# Altium PCB BoardB.PcbDoc (part 1 of 2) (continued)
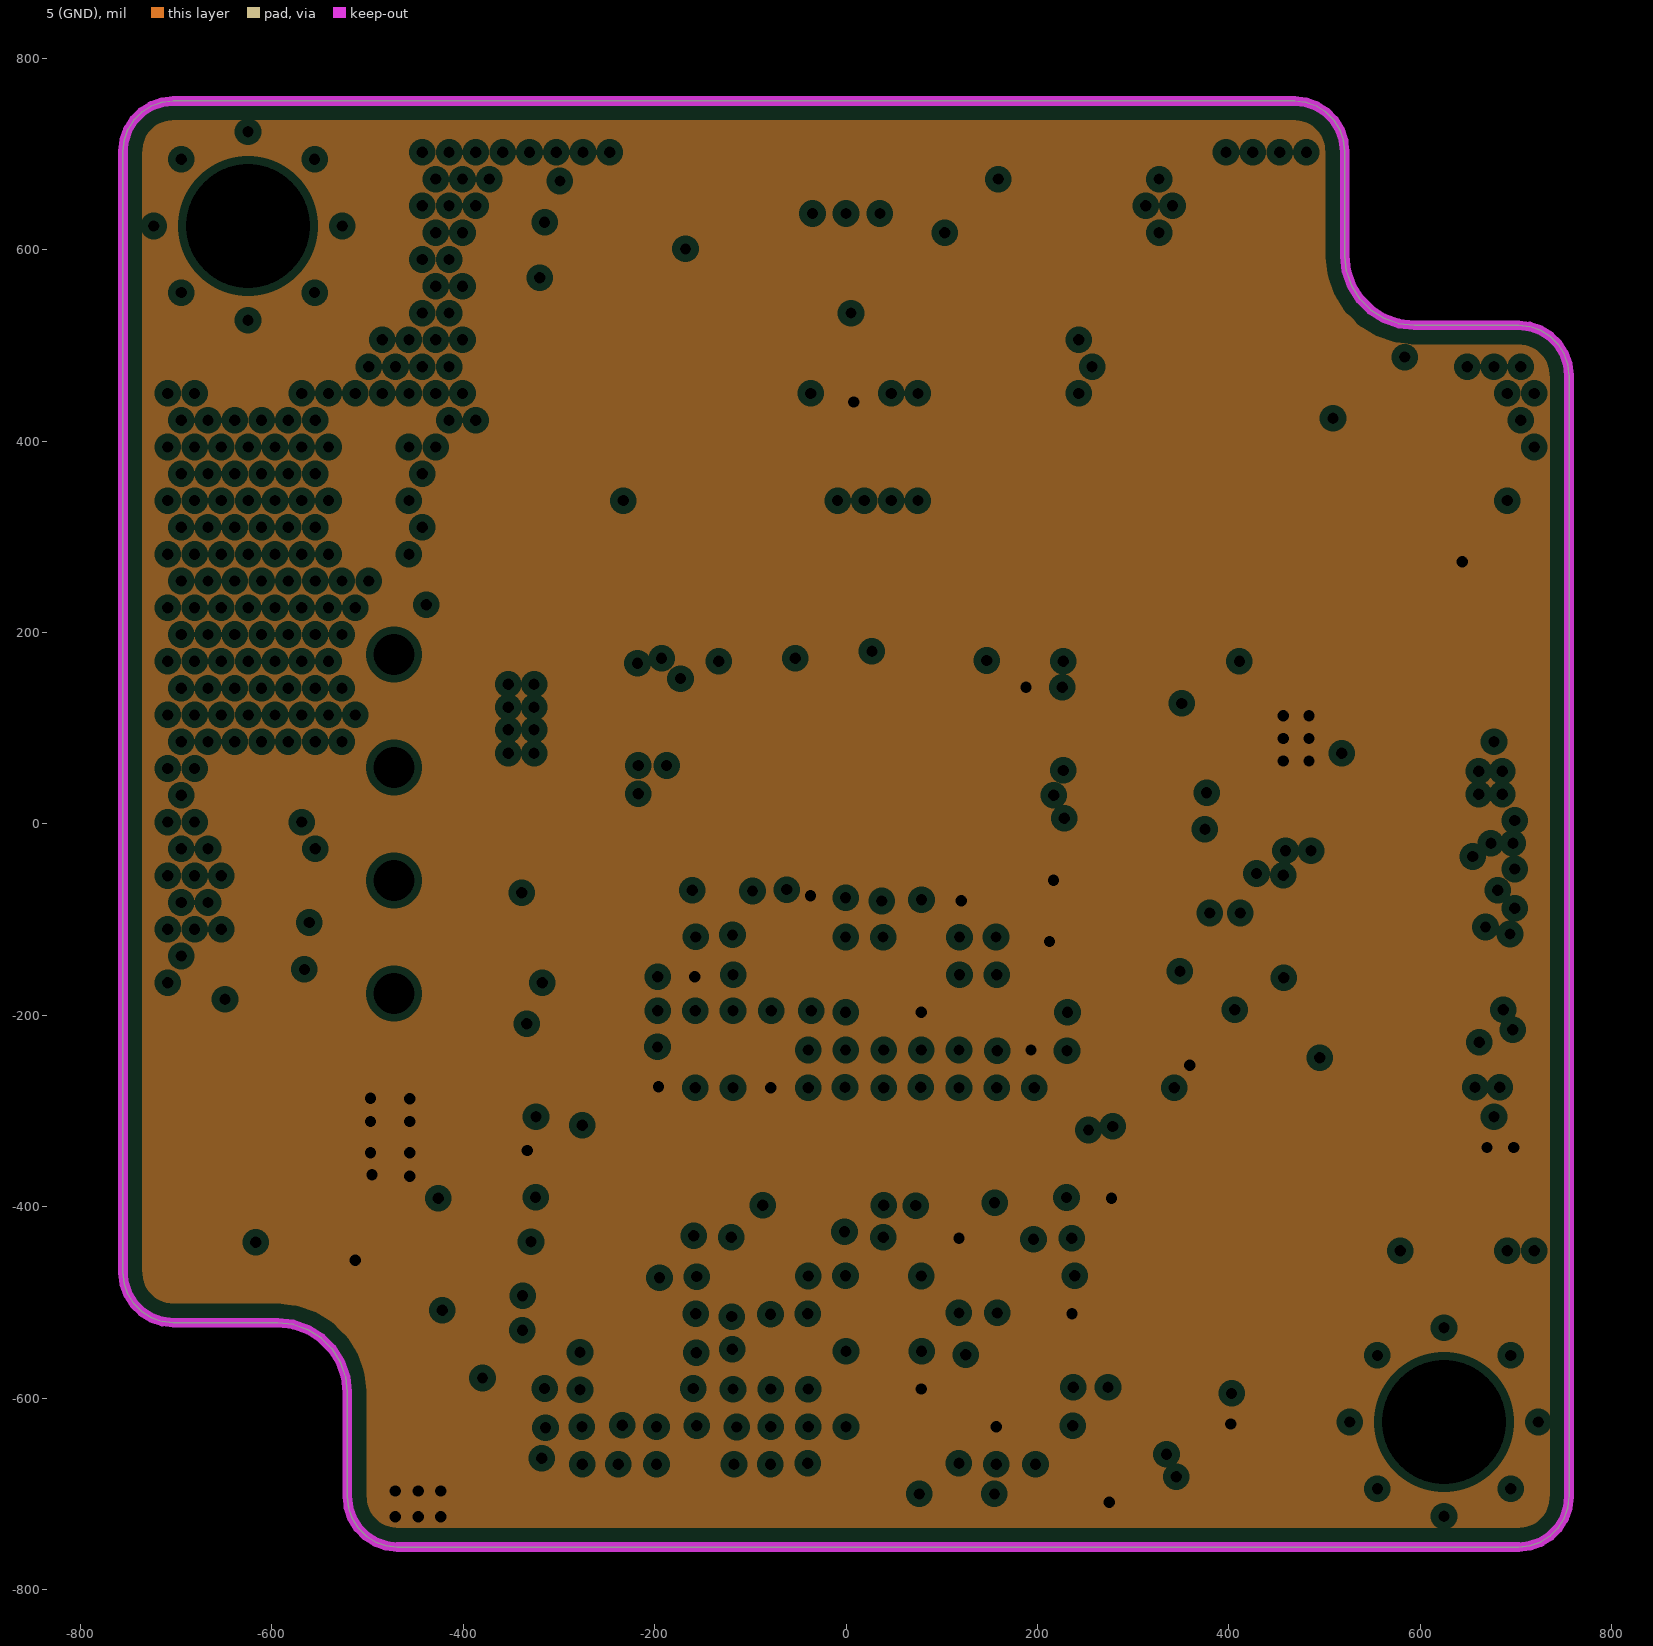
[diagram p5: 5 (GND), clearances drawn from the general rule]
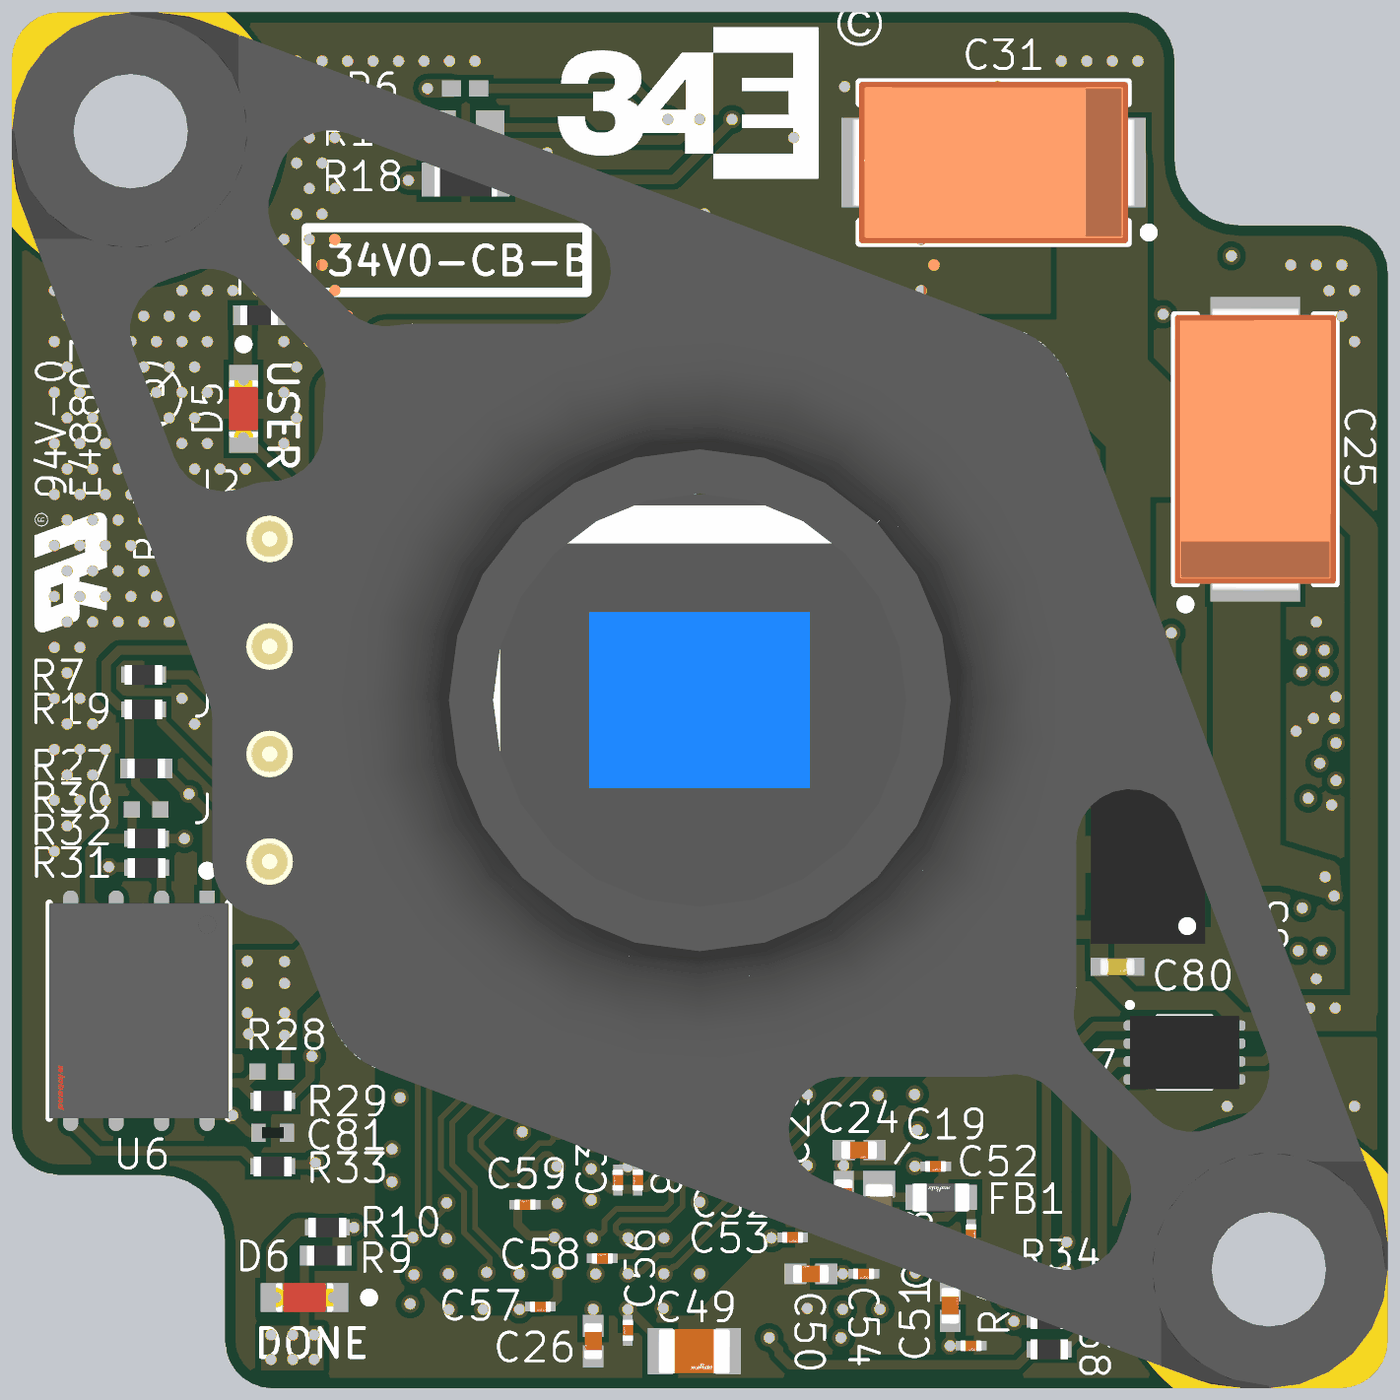
[diagram p7: 3D render of the assembled board from above, using the file's embedded part models]
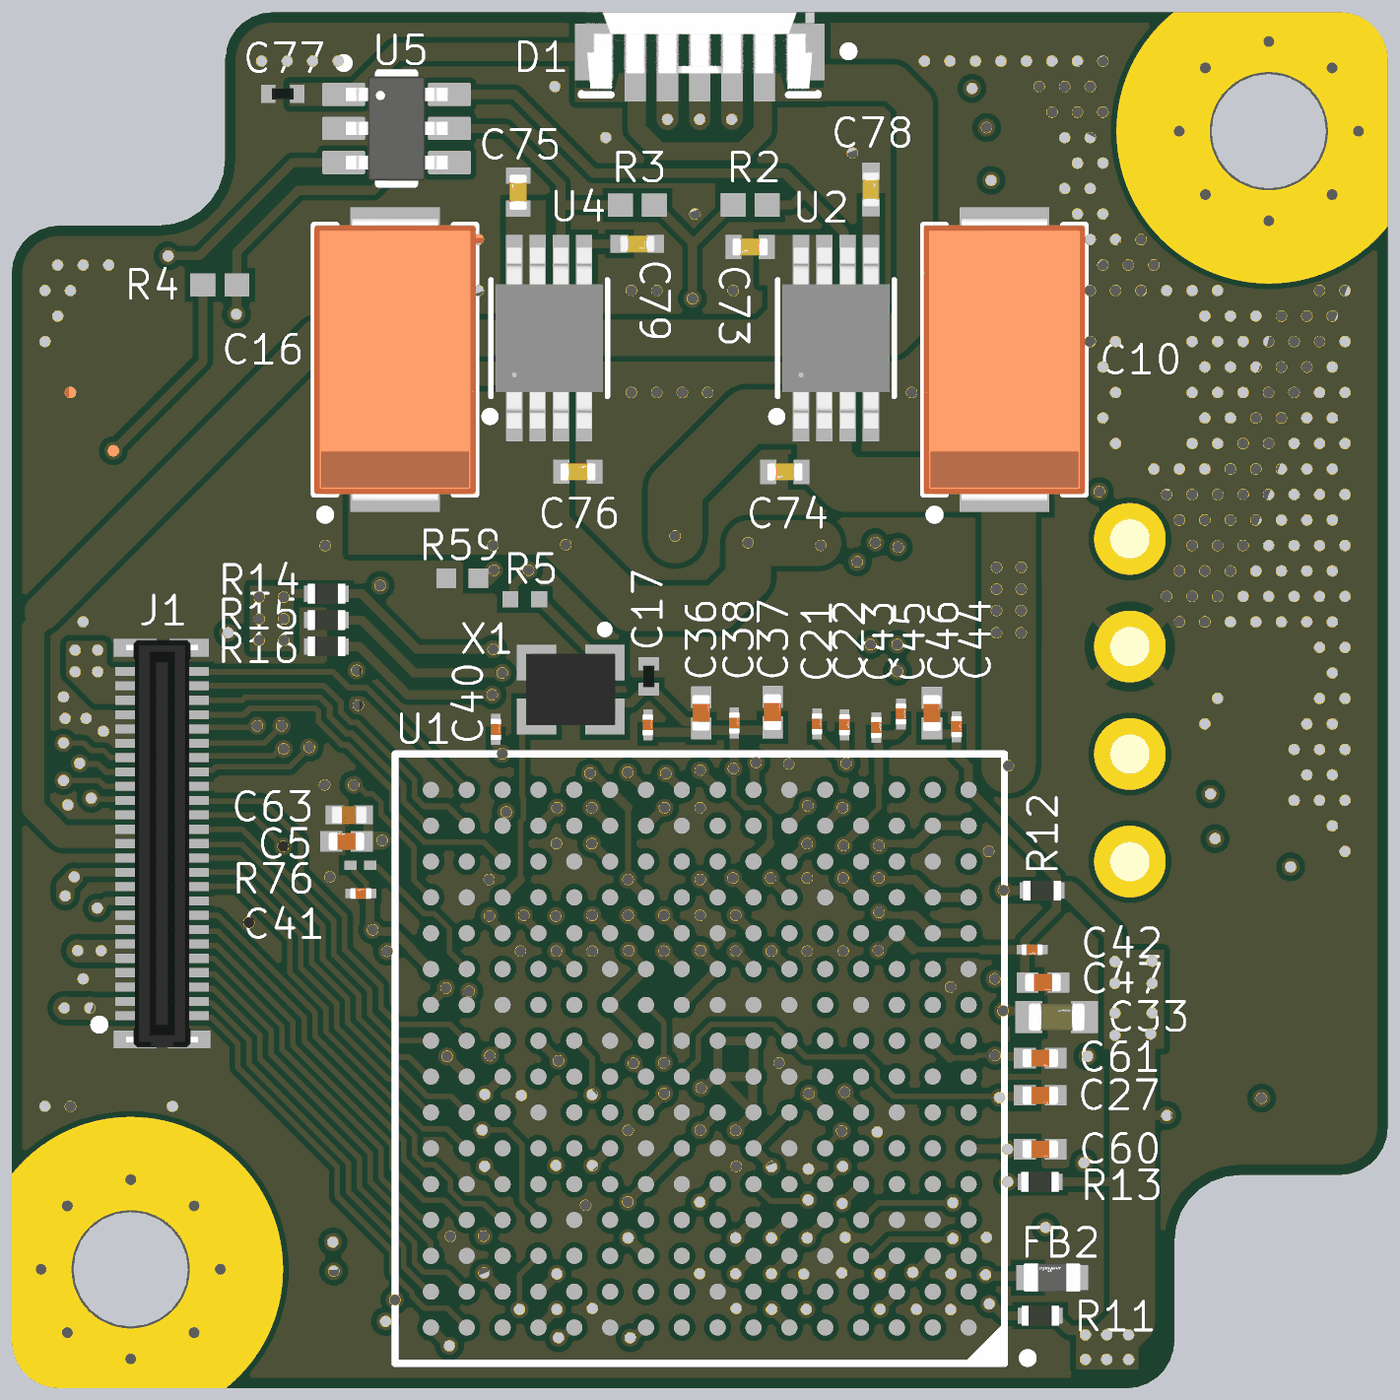
[diagram p8: 3D render of the assembled board from below, using the file's embedded part models]

## Layer stack, top to bottom
Top Solder: solder mask 1, SM-001, Dk 4
1 Top (Sig/Pwr): signal copper 1.378
Dielectric 1: prepreg 4.3307, PP-015, Dk 4.29
2 (GND): plane copper 1.378, net GND
Dielectric 2: core 23.622, Core-038, Dk 4.6
3 (Sig/Pwr): signal copper 1.378
Dielectric 3: prepreg 4.3307, PP-015, Dk 4.29
4 (GND/Sig): signal copper 1.378
Dielectric 4: core 23.622, Core-038, Dk 4.6
5 (GND): plane copper 1.378, net +3.3
Dielectric 5: prepreg 4.3307, PP-015, Dk 4.29
6 Bottom (Sig/Pwr): signal copper 1.378
Bottom Solder: solder mask 1, SM-001, Dk 4

## Board outline
-521.25,-703.13 -519.94,-714.81 -516.05,-725.91 -509.8,-735.86 -501.49,-744.18 -491.53,-750.43 -480.44,-754.31 -468.75,-755.63 703.12,-755.63 714.8,-754.31 725.9,-750.43 735.85,-744.18 744.17,-735.86 750.42,-725.91 754.3,-714.81 755.62,-703.13 755.62,468.75 754.3,480.43 750.42,491.52 744.17,501.48 735.85,509.79 725.9,516.05 714.8,519.93 703.12,521.25 593.75,521.25 577.61,523.06 562.29,528.43 548.54,537.06 537.06,548.54 528.43,562.29 523.06,577.61 521.25,593.75 521.25,703.12 519.93,714.8 516.05,725.9 509.79,735.85 501.48,744.17 491.52,750.42 480.43,754.3 468.75,755.62 -703.13,755.62 -714.81,754.3 -725.91,750.42 -735.86,744.17 -744.18,735.85 -750.43,725.9 -754.31,714.8 -755.63,703.12 -755.63,-468.75 -754.31,-480.44 -750.43,-491.53 -744.18,-501.49 -735.86,-509.8 -725.91,-516.06 -714.81,-519.94 -703.13,-521.25 -593.75,-521.25 -577.62,-523.07 -562.3,-528.43 -548.55,-537.07 -537.07,-548.55 -528.43,-562.3 -523.07,-577.62 -521.25,-593.75

## Design rules (kind name [scope] priority, off if disabled: settings)
BoardOutlineClearance BoardOutlineClearance_Polygon [IsPolygon] p1: gap=9.84 ignorepadtopadclearanceinfootprint=FALSE
Clearance [All] p1: gap=6 ignorepadtopadclearanceinfootprint=TRUE except(10: SMDPad-SMDPad)
DiffPairsRouting DiffPairsRouting_CAM [Not InDifferentialPair('USB')] p1: maxlimit=15.75 minlimit=5 mostfreqgap=14.58 toplayer_mingap=6 toplayer_minwidth=4 toplayer_maxwidth=6.3 toplayer_prefwidth=6 bottomlayer_mingap=6 bottomlayer_minwidth=4 bottomlayer_maxwidth=6.3 bottomlayer_prefwidth=6 impedanceprofiledriven=TRUE impedanceprofileid={367E0956-4617-40D2-A523-51326FB4A553} impedanceprofilevalue=100.000000 maxuncoupledlength=500
FanoutControl Fanout_BGA [IsBGA] p1: bgadir=NE bgaviamode=Centered fanoutstyle=BGA fanoutdirection=Alternating viagrid=1 // Fanout_BGA (Default Rule)
HoleSize [All] p1: absolutevalues=TRUE maxlimit=10000 minlimit=11.81 maxpercent=80.000 minpercent=20.000
HoleToHoleClearance HoleToHoleClearance_Via [IsVia] p1: gap=11 allowstackedmicrovias=TRUE
HoleToHoleClearance [Not IsVia] p2: gap=16 allowstackedmicrovias=TRUE
MinimumSolderMaskSliver [All] p1: minsoldermaskwidth=4
NetAntennae [Not InNet('ENC')] p1: netantennaetolerance=0
PlaneClearance [All] p1: clearance=8
PlaneConnect PlaneConnect_Thru [IsThruPin] p1: planeconnectstyle=Relief reliefexpansion=10 reliefentries=4 reliefconductorwidth=20 reliefairgap=10
PlaneConnect [All] p2: planeconnectstyle=Direct reliefexpansion=20 reliefentries=4 reliefconductorwidth=10 reliefairgap=10
PolygonConnect PolygonConnect_Thru [IsThruPin] p1: connectstyle=Relief reliefconductorwidth=20 reliefentries=4 polygonreliefangle="45 Angle" airgapwidth=10
PolygonConnect [All] p2: connectstyle=Direct reliefconductorwidth=10 reliefentries=4 polygonreliefangle="90 Angle" airgapwidth=10
RoutingVias [All] p1: holewidth=11.81 width=23.62 viastyle="Through Hole" minholewidth=5.91 minwidth=11.81 maxholewidth=39.37 maxwidth=78.74
SignalStimulus "Schematic Signal Stimulus_5" [InDifferentialPairClass('CAM_CLK_OUT')] p1: kind=1 level=1 starttime=0.000 stoptime=1.389n periodtime=2.778n
SignalStimulus "Schematic Signal Stimulus_4" [InDifferentialPairClass('CAM_DOUT1')] p2: kind=1 level=1 starttime=0.000 stoptime=1.389n periodtime=2.778n
SignalStimulus "Schematic Signal Stimulus_3" [InDifferentialPairClass('CAM_DOUT0')] p3: kind=1 level=1 starttime=0.000 stoptime=1.389n periodtime=2.778n
SignalStimulus "Schematic Signal Stimulus_2" [InDifferentialPairClass('CAM_DOUT3')] p4: kind=1 level=1 starttime=0.000 stoptime=1.389n periodtime=2.778n
SignalStimulus "Schematic Signal Stimulus_1" [InDifferentialPairClass('CAM_DOUT2')] p5: kind=1 level=1 starttime=0.000 stoptime=1.389n periodtime=2.778n
SignalStimulus "Schematic Signal Stimulus" [InDifferentialPairClass('CAM_SYNC')] p6: kind=1 level=1 starttime=0.000 stoptime=1.389n periodtime=2.778n
SilkToSilkClearance [All] p1: silktosilkclearance=0
SilkToSolderMaskClearance [IsPad] p1: minsilkscreentomaskgap=6 clearancetoexposedcopper=TRUE
SolderMaskExpansion SolderMaskExpansion_Via [Isvia] p1: expansion=2 istentingtop=TRUE
SolderMaskExpansion [Not Isvia] p2: expansion=2 istentingtop=FALSE
UnRoutedNet [Not InNet('ENC')] p1:
Width [All] p1: maxlimit=100 minlimit=6 preferedwidth=10
19 further rules are at their usual default settings.

## Classes and differential pairs
differential pair class CAM_SYNC: CAM_SYNC
differential pair class CAM_DOUT3: CAM_DOUT3
differential pair class CAM_DOUT2: CAM_DOUT2
differential pair class CAM_DOUT1: CAM_DOUT1
differential pair class CAM_DOUT0: CAM_DOUT0
differential pair class CAM_CLK_OUT: CAM_CLK
component class BoardB-Python: C2 C3 C4 C5 C6 C7 C8 C9 C10 C12 C13 C14 C15 C16 C63 C65 C66 C67 C68 C69 C70 C71 C72 C73 C74 C75 C76 C77 C78 C79 C80 C125 C126 C127 R1 R2 R3 R4 R59 U2 U3 U4 U5 X3
component class BoardB: D1 J1 J2 J3 J4 J5 M1 R6 R7 R17 R18 R19 S1 S2 S3
component class BoardB-FPGA: C1 C17 C18 C19 C20 C21 C22 C23 C24 C25 C26 C27 C28 C29 C30 C31 C32 C33 C36 C37 C38 C39 C40 C41 C42 C43 C44 C45 C46 C47 C49 C50 C51 C52 C53 C54 C55 C56 C57 C58 C59 C60 C61 C81 C83 D5 D6 FB1 FB2 R5 R8 R9 R10 R11 R12 R13 R14 R15 R16 R27 R28 R29 R30 R31 R32 R33 R34 R38 R40 R76 U1 U6 U7 X1
differential pair CAM_SYNC: +CAM_SYNC_P -CAM_SYNC_N
differential pair CAM_DOUT3: +CAM_DOUT3_P -CAM_DOUT3_N
differential pair CAM_DOUT2: +CAM_DOUT2_P -CAM_DOUT2_N
differential pair CAM_DOUT1: +CAM_DOUT1_P -CAM_DOUT1_N
differential pair CAM_DOUT0: +CAM_DOUT0_P -CAM_DOUT0_N
differential pair CAM_CLK: +CAM_CLK_P -CAM_CLK_N

## Components (designator, comment, footprint, x,y, rotation, side; value= is the part's Value field where it differs from the comment)
C1 "10nF" FP-GRM033-0_03-IPC_C#1 0,-449 r90 top
C2 "4.7uF" FP-GRM155-0_1-IPC_B 332.68,-111 r90 top
C3 "4.7uF" FP-GRM155-0_1-IPC_B 462.17,34.76 r0 top
C4 "4.7uF" FP-GRM155-0_1-IPC_B -303.15,-322.83 r270 top
C5 "4.7uF" FP-GRM155-0_1-IPC_B 388,-155 r0 bottom locked
C6 "4.7uF" FP-GRM155-0_1-IPC_B -318.5,-118.11 r270 top
C7 "4.7uF" FP-GRM155-0_1-IPC_B 58.23,289.74 r90 top locked
C8 "4.7uF" FP-GRM155-0_1-IPC_B 332.68,94 r270 top locked
C9 "4.7uF" FP-GRM155-0_1-IPC_B 331,-311 r270 top
C10 "330uF/100m" NOSD337M004R0100 -334.65,374.02 r90 bottom locked
C12 "4.7uF" FP-GRM155-0_1-IPC_B 115.71,289.68 r90 top locked
C13 "4.7uF" FP-GRM155-0_1-IPC_B 195.83,289.57 r90 top locked
C14 "4.7uF" FP-GRM155-0_1-IPC_B -101.81,289.78 r90 top locked
C15 "4.7uF" FP-GRM155-0_1-IPC_B -21.77,289.73 r90 top locked
C16 "330uF/100m" NOSD337M004R0100 334.65,374.02 r90 bottom locked
C17 "100nF" FP-GRM15-IPC_C 56,26.08 r270 bottom value=0.10μF
C18 "0.47uF" FP-GRM033-0_03-IPC_C#1 298,-587.01 r90 top
C19 "47uF" FP-GRM188-0_2-MFG 197,-562 r270 top
C20 "0.47uF" FP-GRM033-0_03-IPC_C#1 28,-446.99 r270 top
C21 "0.47uF" FP-GRM033-0_03-IPC_C#1 -128.81,-25.97 r90 bottom
C22 "0.47uF" FP-GRM033-0_03-IPC_C#1 -159,-26.99 r90 bottom
C23 "4.7uF" FP-GRM155-0_1-IPC_B 158,-545.87 r270 top
C24 "4.7uF" FP-GRM155-0_1-IPC_B 175,-494 r0 top
C25 "330uF/100m" NOSD337M004R0100 610.24,275.59 r90 top locked
C26 "4.7uF" FP-GRM155-0_1-IPC_B -117,-704 r270 top
C27 "4.7uF" FP-GRM155-0_1-IPC_B -374,-434 r180 bottom
C28 "0.47uF" FP-GRM033-0_03-IPC_C#1 -68,-527.01 r270 top
C29 "0.47uF" FP-GRM033-0_03-IPC_C#1 102.04,-532.29 r0 top
C30 "0.47uF" FP-GRM033-0_03-IPC_C#1 -90,-527 r270 top
C31 "330uF/100m" NOSD337M004R0100 322.83,590.55 r180 top locked
C32 "0.47uF" FP-GRM033-0_03-IPC_C#1 102,-551 r0 top
C33 "47uF" FP-GRM188-0_2-MFG -392,-348 r180 bottom
C36 "4.7uF" FP-GRM155-0_1-IPC_B -1.57,-13.84 r90 bottom
C37 "4.7uF" FP-GRM155-0_1-IPC_B -80,-13 r90 bottom
C38 "0.47uF" FP-GRM033-0_03-IPC_C#1 -38,-25 r90 bottom
C39 "0.47uF" FP-GRM033-0_03-IPC_C#1 57,-27.01 r90 bottom
C40 "0.47uF" FP-GRM033-0_03-IPC_C#1 224,-32 r90 bottom
C41 "0.47uF" FP-GRM033-0_03-IPC_C#2 372.28,-212.2 r0 bottom
C42 "0.47uF" FP-GRM033-0_03-IPC_C#1 -365.01,-274 r180 bottom
C43 "0.47uF" FP-GRM033-0_03-IPC_C#1 -194,-30 r90 bottom
C44 "0.47uF" FP-GRM033-0_03-IPC_C#1 -282,-29.01 r90 bottom
C45 "0.47uF" FP-GRM033-0_03-IPC_C#1 -221,-15 r90 bottom
C46 "4.7uF" FP-GRM155-0_1-IPC_B -255,-14 r90 bottom
C47 "4.7uF" FP-GRM155-0_1-IPC_B -377,-310 r180 bottom
C49 "100uF" FP-GRM21B-0_2-e0_2_0_7-MFG -6,-715 r0 top
C50 "4.7uF" FP-GRM155-0_1-IPC_B 122,-630 r180 top
C51 "4.7uF" FP-GRM155-0_1-IPC_B 275,-665 r90 top
C52 "0.47uF" FP-GRM033-0_03-IPC_C#1 258.99,-512 r0 top
C53 "0.47uF" FP-GRM033-0_03-IPC_C#1 102,-590 r0 top
C54 "0.47uF" FP-GRM033-0_03-IPC_C#1 179.99,-630 r0 top
C55 "0.47uF" FP-GRM033-0_03-IPC_C#1 297.99,-709 r0 top
C56 "0.47uF" FP-GRM033-0_03-IPC_C#1 -79,-692.01 r270 top
C57 "0.47uF" FP-GRM033-0_03-IPC_C#1 -175,-666 r0 top
C58 "0.47uF" FP-GRM033-0_03-IPC_C#1 -107.01,-613 r180 top
C59 "0.47uF" FP-GRM033-0_03-IPC_C#1 -191.87,-554 r180 top
C60 "4.7uF" FP-GRM155-0_1-IPC_B -374,-493 r180 bottom
C61 "4.7uF" FP-GRM155-0_1-IPC_B -374,-393 r180 bottom
C63 "100nF" FP-C0402-BB-MFG 385,-126 r0 bottom value="0.10 μF"
C65 "1uF" FP-GRM15-0_1-MFG -317.09,-35.43 r90 top locked
C66 "1uF" FP-GRM15-0_1-MFG 27.09,284.35 r90 top locked
C67 "1uF" FP-GRM15-0_1-MFG 331.25,158.23 r90 top locked
C68 "1uF" FP-GRM15-0_1-MFG 331.25,-229 r90 top locked
C69 "1uF" FP-GRM15-0_1-MFG -132.91,284.37 r90 top locked
C70 "1uF" FP-GRM15-0_1-MFG -52.91,284.35 r90 top locked
C71 "1uF" FP-GRM15-0_1-MFG 147.09,284.37 r90 top locked
C72 "1uF" FP-GRM15-0_1-MFG 227.09,284.35 r90 top locked
C73 "10uF" FP-CL05A106MP5NUNC-MFG -55.32,497.86 r0 bottom locked
C74 "10uF" FP-CL05A106MP5NUNC-MFG -93.58,250.79 r0 bottom
C75 "10uF" FP-CL05A106MP5NUNC-MFG 199.4,558.03 r90 bottom
C76 "10uF" FP-CL05A106MP5NUNC-MFG 133.76,250.87 r180 bottom locked
C77 "100nF" FP-GRM15-MFG 457.99,666 r0 bottom value=0.10μF
C78 "10nF" FP-CC0402-MFG -188,561 r90 bottom value="10 nF"
C79 "10nF" FP-CC0402-MFG 68.5,501.25 r180 bottom locked value="10 nF"
C80 "10nF" FP-CC0402-MFG 458.68,-292.68 r0 top value="10 nF"
C81 "100nF" FP-GRM15-MFG -469,-475 r180 top value=0.10μF
C83 "100nF" FP-GRM15-MFG 631,-343 r90 top value=0.10μF
C125 "100nF" FP-C0402-BB-MFG -317.47,-259.09 r90 top value="0.10 μF"
C126 "100nF" FP-C0402-BB-MFG 331.64,22.25 r90 top locked value="0.10 μF"
C127 "100nF" FP-C0402-BB-MFG 331.64,-170.08 r270 top locked value="0.10 μF"
D1 "MSL0104RGBU1" FP-MSL0104-MFG 0,712.2 r180 bottom locked
D5 "SML-D12U1WT86" FP-SML-D12-MFG -501,320 r270 top
D6 "SML-D12U1WT86" FP-SML-D12-MFG -434,-656 r180 top
FB1 "BLM18AG601SN1D" FP-BLM18-0_15-t0_8-MFG 265,-545.98 r180 top
FB2 "BLM18AG601SN1D" FP-BLM18-0_15-t0_8-MFG -387,-634 r0 bottom
J1 "2039550503" 2039550503 590.55,-157.48 r180 top locked
J2 "3124-2-00-15-00-00-08-0" 3124-2-00-15-00-00-08-0 -472.44,177.17 r0 top
J3 "3124-2-00-15-00-00-08-0" 3124-2-00-15-00-00-08-0 -472.44,59.06 r0 top
J4 "3124-2-00-15-00-00-08-0" 3124-2-00-15-00-00-08-0 -472.44,-59.06 r0 top
J5 "3124-2-00-15-00-00-08-0" 3124-2-00-15-00-00-08-0 -472.44,-177.17 r0 top
M1 "LENS" LENS_MNT 0,0 r0 top locked
R1 "10k" RESC1005X40X25LL05T05 -318.11,30.71 r90 top
R2 "100k" RESC1005X40X25ML05T10 -55.32,544.02 r0 bottom locked
R3 "100k" RESC1005X40X25ML05T10 68.5,543.82 r180 bottom locked
R4 "100k" RESC1005X40X25ML05T10 527,456 r0 bottom
R5 "1.8k" RESC1005X40X25LL05T05 192.25,111 r0 bottom
R6 "43" RESC0603X26X15ML03T05 -257.76,672 r0 top
R7 "10k" RESC1005X40X25LL05T05 -611,28 r180 top
R8 "1k" RESC1005X40X25NL05T05 -484,423 r0 top
R9 "1k" RESC1005X40X25NL05T05 -410.72,-610 r0 top
R10 "100" RESC1005X40X25LL05T05 -409,-579 r180 top
R11 "4.7k" RESC1005X40X25LL05T05 -374,-676 r180 bottom
R12 "4.7k" RESC1005X40X25LL05T05 -376,-209 r180 bottom
R13 "4.7k" RESC1005X40X25LL05T05 -373.75,-529 r180 bottom
R14 "4.7k" RESC1005X40X25LL05T05 410,117 r180 bottom
R15 "4.7k" RESC1005X40X25LL05T05 410,88 r180 bottom
R16 "4.7k" RESC1005X40X25LL05T05 410,59 r180 bottom
R17 "51" RESC1608X55X30NL15T15#1 -257,629 r0 top
R18 "47" RESC1608X55X30NL15T15#2 -257,572 r0 top
R19 "10k" RESC1005X40X25LL05T05 -611,-10 r0 top
R27 "4.7k" RESC1005X40X25NL05T05 -608,-75 r180 top
R28 "1.8k" RESC1005X40X25LL05T05 -470,-408 r0 top
R29 "100" RESC1005X40X25LL05T05 -469,-440 r180 top
R30 "1.8k" RESC1005X40X25LL05T05 -608,-120 r0 top
R31 "100" RESC1005X40X25LL05T05 -607.5,-184 r0 top
R32 "100" RESC1005X40X25LL05T05 -607.75,-152 r180 top
R33 "100" RESC1005X40X25LL05T05 -469,-512 r180 top
R34 "4.7k" RESC1005X40X25NL05T05 381,-645 r0 top
R38 "100" RESC1005X40X25LL05T05 383.75,-713 r0 top
R40 "100" RESC1005X40X25LL05T05 383.75,-680 r0 top
R59 "47k 1%" RESC1005X40X25NL05T05 260.72,134 r180 bottom
R76 "1k" RESC0603X26X15LL03T05 372.67,-181.21 r0 bottom
S1 "" UL -694,215 r90 top
S2 "" RoHS -605,258 r90 top
S3 "" 34EngineeringLogo -169,560 r0 top
U1 "XC7A35T-1FTG256C" FTG256 0,-393.7 r0 bottom locked
U2 "NCP3335ADM330R2G" NCP3335ADM330R2G -149.61,397.64 r90 bottom locked
U3 "NOIP1FN0300A-QDI" NOIP1FN0300A-QDI 7.09,-53.94 r90 top locked
U4 "NCP3335ADM330R2G" NCP3335ADM330R2G 165.35,397.64 r90 bottom locked
U5 "LM3880MF-1AB/NOPB" DBV0006A_M 333,628 r180 bottom
U6 "W25Q16JVZPIQ" FP-ZP-IPC_B -616,-341 r270 top locked
U7 "CAT93C46BHU4I-GT3" CAT93C46BHU4I-GT3 532.46,-386.84 r0 top
X1 "SIT8008AI-11-XXE-100.000000" SIT8008AI-11-XXE-100.000000 141.73,11.81 r0 bottom
X3 "ASFLMB-72.000MHZ-XY-T" ASFLMB-72.000MHZ-XY-T 492.13,-169.29 r90 top locked

## Footprints (in the part's own frame and the unit in brackets; to place one, negate y for a bottom-side part, rotate by r counter-clockwise, add the part's x,y. Pads: shape width x height; smd on the part's side, far side on the other; paste and mask are expansions set on the pad)
34EngineeringLogo [mil]
  silkscreen extent 13,13 299,179
3124-2-00-15-00-00-08-0 [mm]
  round 2 hole 1.09: 1(0,0)
  body extent -0.89,-0.88 0.89,0.89, height 22.9
2039550503 [mm]
  rect 1.1x0.25 smd far side paste+0 mask+0: 1(-0.75,4.8) 2(-0.75,4.4) 3(-0.75,4) 4(-0.75,3.6) 5(-0.75,3.2) 6(-0.75,2.8) 7(-0.75,2.4) 8(-0.75,2) 9(-0.75,1.6) 10(-0.75,1.2) 11(-0.75,0.8) 12(-0.75,0.4) 13(-0.75,0) 14(-0.75,-0.4) 15(-0.75,-0.8) 16(-0.75,-1.2) 17(-0.75,-1.6) 18(-0.75,-2) 19(-0.75,-2.4) 20(-0.75,-2.8) 21(-0.75,-3.2) 22(-0.75,-3.6) 23(-0.75,-4) 24(-0.75,-4.4) 25(-0.75,-4.8) 26(0.75,-4.8) 27(0.75,-4.4) 28(0.75,-4) 29(0.75,-3.6) 30(0.75,-3.2) 31(0.75,-2.8) 32(0.75,-2.4) 33(0.75,-2) 34(0.75,-1.6) 35(0.75,-1.2) 36(0.75,-0.8) 37(0.75,-0.4) 38(0.75,0) 39(0.75,0.4) 40(0.75,0.8) 41(0.75,1.2) 42(0.75,1.6) 43(0.75,2) 44(0.75,2.4) 45(0.75,2.8) 46(0.75,3.2) 47(0.75,3.6) 48(0.75,4) 49(0.75,4.4) 50(0.75,4.8)
  rect 1.2x0.5 smd far side paste+0 mask+0: MNT(-0.75,5.465) MNT(-0.75,-5.465) MNT(0.75,5.465)
  rect 1.1x0.5 smd far side paste+0 mask+0: MNT(0.75,-5.465)
  body extent -1,-5.68 1,5.68
ASFLMB-72.000MHZ-XY-T [mm]
  rect 1.2x1.1 smd: 1(-1.27,-1.05) 2(1.27,-1.05) 3(1.27,1.05) 4(-1.27,1.05)
  silkscreen extent -1.4,-2.38 -1.15,-2.13, body extent -2.5,-1.6 2.5,1.6, height 0.84
CAT93C46BHU4I-GT3 [mm]
  rrect70% 0.68x0.29 smd: 1(-1.36,0.75) 2(-1.36,0.25) 3(-1.36,-0.25) 4(-1.36,-0.75) 5(1.36,-0.75) 6(1.36,-0.25) 7(1.36,0.25) 8(1.36,0.75)
  rect 1.45x1.56 smd paste-2: 9(0,0)
  silkscreen extent -1.59,-1 0.75,1.39, body extent -1.53,-1.02 1.52,1.03, height 0.55
DBV0006A_M [mm] "SOT23, 6-Leads, Body 3.05x1.75mm, Pitch 0.95mm, IPC Low Density"
  rrect15% 1.2x0.65 smd: 1(-1.475,0.95) 2(-1.475,0) 3(-1.475,-0.95) 4(1.475,-0.95) 5(1.475,0) 6(1.475,0.95)
  silkscreen extent -1.6,-1.55 0.5,1.95, body extent -1.42,-1.46 1.42,1.46, height 1.11
FP-BLM18-0_15-t0_8-MFG [mm]
  rect 0.65x0.7 smd paste+0 mask+0: 1(-0.675,0) 2(0.675,0)
  body extent -1.1,-0.58 1.1,0.58, height 0.25
FP-C0402-BB-MFG [mm]
  rect 0.52x0.52 smd paste+0 mask+0: 1(-0.4,0) 2(0.4,0)
  body extent -0.5,-0.25 0.5,0.25, height 0.55
FP-CC0402-MFG [mm]
  rect 0.5x0.5 smd paste+0 mask+0: 1(-0.5,0) 2(0.5,0)
  body extent -0.5,-0.25 0.5,0.25, height 0.55
FP-CL05A106MP5NUNC-MFG [mm]
  rect 0.45x0.675 smd paste+0 mask+0: 1(-0.463,0) 2(0.463,0)
  body extent -0.5,-0.25 0.5,0.25, height 0.7
FP-GRM15-0_1-MFG [mm]
  rect 0.4x0.5 smd paste+0 mask+0: 1(-0.4,0) 2(0.4,0)
  body extent -0.7,-0.38 0.7,0.38, height 0.25
FP-GRM15-IPC_C [mil]
  rect 14.38x22.54 smd paste+0 mask+0: 1(-13.92,0) 2(13.92,0)
  body extent -12,-6 12,6, height 13
FP-GRM15-MFG [mm]
  rect 0.4x0.5 smd paste+0 mask+0: 1(-0.4,0) 2(0.4,0)
  body extent -0.3,-0.16 0.3,0.16, height 0.33
FP-GRM21B-0_2-e0_2_0_7-MFG [mm]
  rect 0.7x1.3 smd paste+0 mask+0: 1(-0.95,0) 2(0.95,0)
  body extent -1.4,-0.82 1.4,0.82, height 0.25
FP-GRM033-0_03-IPC_C#1 [mil]
  rect 13.94x10.34 smd paste+0 mask+0: 1(-10.01,0) 2(10.01,0)
  body extent -21,-10 21,10, height 10
FP-GRM033-0_03-IPC_C#2 [mil]
  rect 13.78x10.34 smd paste+0 mask+0: 1(-10.01,0) 2(10.01,0)
  body extent -12,-6 12,6, height 13
FP-GRM155-0_1-IPC_B [mil]
  rect 24.23x22.54 smd paste+0 mask+0: 1(-16.87,0) 2(16.87,0)
  body extent -35,-17 35,17, height 10
FP-GRM188-0_2-MFG [mm]
  rect 0.75x0.9 smd paste+0 mask+0: 1(-0.775,0) 2(0.775,0)
  body extent -1.25,-0.6 1.25,0.6, height 0.25
FP-MSL0104-MFG [mm]
  rect 1.06x1.58 smd paste+0 mask+0: 1(2.95,0) 7(-2.95,0)
  rect 0.6x2.18 smd paste+0 mask+0: 2(1.8,-0.3) 3(0.9,-0.3) 4(0,-0.3) 5(-0.9,-0.3) 6(-1.8,-0.3)